# Altium PCB SMT2_1.PcbDoc (part 2 of 2)
Units mm, origin at the board's own origin, x right, y up, seen from the top; angles counter-clockwise.
Board outline 112.3 x 69.6 mm, 2 copper layers (Top Layer, Bottom Layer); 98 components, 70 nets, 401 pads, 85 vias.
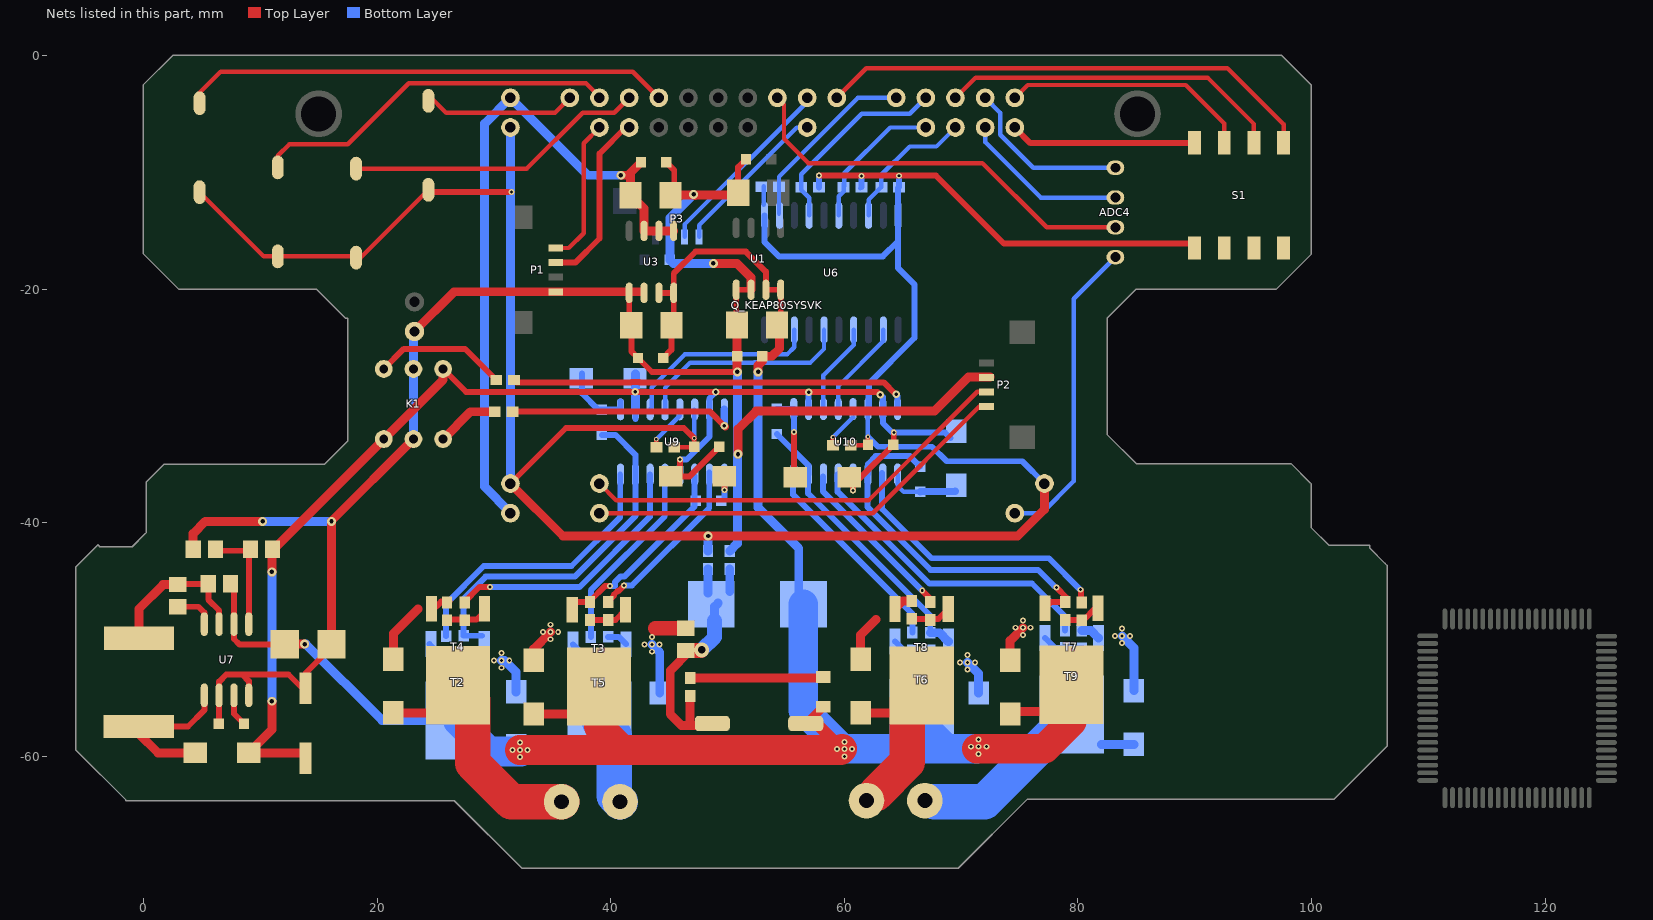
[diagram p2: the nets of this part, all layers, seen from the top]

## Via types
v1: diameter 0.508, hole 0.254, Top Layer to Bottom Layer, 60 vias
v2: diameter 0.762, hole 0.381, Top Layer to Bottom Layer, 14 vias
v3: diameter 0.635, hole 0.305, Top Layer to Bottom Layer, 6 vias
v4: diameter 0.381, hole 0.203, Top Layer to Bottom Layer, 4 vias
v5: diameter 1.27, hole 0.635, Top Layer to Bottom Layer, 1 vias

## Nets (pads, with @x,y where several pads share a name; then routed paths per layer and width w, separated by ;. In a path a pad name is that pad's centre, name@x,y a point inside that pad or via, vN(x,y) a via of type N, cw(c..) or ccw(c..) an arc to the next point about the centre after c; other vN are vias at no path point) (continued)
5V_MCU: C11.1 C12.1 Q_KEAP80SYSVK.37 Q_KEAP80SYSVK.76 U3.5 U3.6 U3.7 | length 59.4
  Top Layer w0.762: v2(40.869,-10.262) 41.478,-10.262 ; C12.1@42.596,-9.144 41.696,-10.044 C11.1@41.696,-11.961 42.858,-13.123 U3.7@42.858,-15.028 U3.6@44.128,-15.028 U3.5@45.398,-15.028
  Bottom Layer w0.762: Q_KEAP80SYSVK.76@31.42,-39.141 29.21,-36.932 29.21,-5.842 Q_KEAP80SYSVK.37@31.42,-3.632 38.049,-10.262 v2(40.869,-10.262)
12V: C17.1 C20.1 C28.1 D1.2 D2.1 D5.1 D8.1 D11.1 K1.3 K1.4 R10.2 U9.2 U9.7 U9.12 U10.2 U10.7 U10.12 | length 120.2
  Top Layer w0.508: K1.3@25.654,-26.845 27.613,-28.804 v3(42.113,-28.804) ; v3@42.126,-28.816 v3(49.009,-28.816) 62.852,-28.816 v3(63.094,-29.058) ; D5.1@45.136,-36.043 46.761,-36.043 C17.1@49.301,-33.503 C17.1@49.098,-33.503 ; D5.1@45.923,-35.992 v1(45.923,-34.595) ; D8.1@60.401,-36.246 61.29,-36.246 C20.1@64.186,-33.35 ; v1(60.757,-37.262) D8.1@60.757,-36.601 ; C20.1@64.237,-33.299 v1(64.237,-32.283)
  Top Layer w0.762: v2(10.998,-55.296) 10.998,-57.737 D1.2@9.02,-59.715 C28.1@13.716,-59.715 ; v2(10.998,-44.221) R10.2@10.998,-42.327 ; R10.2@11.059,-42.266 11.153,-42.266 K1.4@20.574,-32.845 25.654,-27.765 K1.3@25.654,-26.845
  Bottom Layer w0.508: U9.2@42.113,-31.14 U9.2@42.113,-30.302 ; U9.12@45.923,-35.89 v1(45.923,-34.595) 46.507,-34.595 48.463,-32.639 U9.7@48.463,-30.302 48.463,-29.362 v3(49.009,-28.816) ; U10.2@56.947,-30.277 v3(56.947,-28.829) ; v1(60.757,-37.262) U10.12@60.757,-35.865 ; v3@63.297,-29.261 U10.7@63.297,-30.277 63.297,-31.471 64.11,-32.283 v1(64.237,-32.283) 68.605,-32.283 D11.1@69.088,-32.766
  Bottom Layer w0.762: v2(10.998,-55.296) v2(10.998,-44.221) ; U9.2@42.113,-30.302 v3(42.113,-28.804) D2.1@42.113,-27.254
A_GND: C17.2 C20.2 K1.2@24.4,-11.51 K2.2 K3.2 K4.2 Q_KEAP80SYSVK.38 Q_KEAP80SYSVK.39 Q_KEAP80SYSVK.75 R3.2 R15.1 R25.1 R35.1 R36.1 R37.1 R38.1 S1.1 S1.2 S1.3 S1.4 U6.1 U6.10 U9.6 U10.6 | length 234.6
  Top Layer w0.381: K2.2@4.8,-11.71 10.3,-17.21 K4.2@11.5,-17.21 18.1,-17.21 K3.2@18.2,-17.31 18.6,-17.31 K1.2@24.4,-11.51 ; R15.1@45.441,-33.553 C17.2@47.092,-33.553 ; C17.2@47.142,-33.503 v4(47.142,-32.791) ; R25.1@60.554,-33.376 C20.2@62.001,-33.376 ; C20.2@62.027,-33.35 v4(62.027,-32.639) ; S1.1@89.576,-16.1 S1.1@89.9,-15.776
  Top Layer w0.508: K1.2@24.4,-11.51 24.59,-11.7 v1(31.5,-11.7) ; Q_KEAP80SYSVK.75@31.42,-36.652 36.17,-31.902 46.253,-31.902 v4(47.142,-32.791) ; v1(57.839,-10.3) 67.856,-10.3 73.656,-16.1 S1.1@89.576,-16.1
  Top Layer w0.762: Q_KEAP80SYSVK.75@31.42,-36.652 35.916,-41.148 v2(48.336,-41.148) 74.853,-41.148 77.14,-38.861 Q_KEAP80SYSVK.39@77.14,-36.652
  Bottom Layer w0.381: v4(47.142,-32.791) U9.6@47.142,-30.353 ; U6.1@53.115,-12.773 R38.1@53.115,-11.222 ; R36.1@61.37,-11.374 R36.1@61.472,-11.273 ; v4(62.027,-32.639) U10.6@62.027,-30.277 62.027,-28.973 62.1,-28.9
  Bottom Layer w0.508: U6.1@53.185,-13.7 53.185,-15.985 54.4,-17.2 63.3,-17.2 64.615,-15.885 ; R37.1@57.839,-11.298 v1(57.839,-10.3) ; R36.1@61.472,-11.273 v1(61.472,-10.328) ; v4(62.027,-32.639) 62.89,-33.503 67.513,-33.503 68.758,-34.747 75.235,-34.747 Q_KEAP80SYSVK.39@77.14,-36.652 ; U10.6@62.1,-30.204 62.1,-28.9 62.1,-28.1 66,-24.2 66,-19.6 64.615,-18.215 64.615,-15.885 ; R35.1@64.615,-11.355 U6.10@64.615,-13.7 64.615,-15.885 ; R35.1@64.697,-11.273 v1(64.697,-10.303)
  Bottom Layer w0.762: Q_KEAP80SYSVK.75@31.42,-36.652 Q_KEAP80SYSVK.38@31.42,-6.172 ; R3.2@48.336,-42.443 v2(48.336,-41.148)
ADC_CH1: ADC4.1 Q_KEAP80SYSVK.42 | length 26.8
  Bottom Layer w0.381: Q_KEAP80SYSVK.42@74.6,-39.192 76.908,-39.192 79.654,-36.446 79.654,-20.828 ADC4.1@83.21,-17.272
ADC_CH2: ADC4.2 Q_KEAP80SYSVK.19 | length 35.3
  Top Layer w0.381: Q_KEAP80SYSVK.19@54.28,-3.632 54.839,-4.191 54.839,-7.137 56.921,-9.22 71.82,-9.22 77.322,-14.722 ADC4.2@83.21,-14.722
ADC_CH3: ADC4.3 Q_KEAP80SYSVK.6 | length 14.4
  Bottom Layer w0.381: Q_KEAP80SYSVK.6@72.06,-6.172 72.06,-7.417 76.815,-12.172 ADC4.3@83.21,-12.172
ADC_CH4: ADC4.4 Q_KEAP80SYSVK.5 | length 14.7
  Bottom Layer w0.381: Q_KEAP80SYSVK.5@72.06,-3.632 73.355,-4.928 73.355,-6.789 76.188,-9.622 ADC4.4@83.21,-9.622
B1: Q_KEAP80SYSVK.4 S1.8 | length 16
  Top Layer w0.508: Q_KEAP80SYSVK.4@74.6,-6.172 75.936,-7.508 89.973,-7.508 S1.8@89.992,-7.489
B2: Q_KEAP80SYSVK.3 S1.7 | length 21.4
  Top Layer w0.381: Q_KEAP80SYSVK.3@74.6,-3.632 75.697,-2.535 89.235,-2.535 92.532,-5.832 S1.7@92.532,-7.489
B3: Q_KEAP80SYSVK.7 S1.6 | length 29.5
  Top Layer w0.381: Q_KEAP80SYSVK.7@69.52,-3.632 71.252,-1.9 91.1,-1.9 95.072,-5.872 S1.6@95.072,-7.489
B4: Q_KEAP80SYSVK.15 S1.5 | length 42.9
  Top Layer w0.381: Q_KEAP80SYSVK.15@59.36,-3.632 61.892,-1.1 92.8,-1.1 97.612,-5.912 S1.5@97.612,-7.489
FTM_IO1: P1.3 Q_KEAP80SYSVK.30 | length 15.3
  Top Layer w0.508: P1.3@35.294,-17.739 36.972,-17.739 39.04,-15.672 39.04,-8.407 41.275,-6.172 Q_KEAP80SYSVK.30@41.58,-6.172
FTM_IO2: P2.4 Q_KEAP80SYSVK.70 | length 37.6
  Top Layer w0.381: Q_KEAP80SYSVK.70@39.04,-38.71 Q_KEAP80SYSVK.70@39.04,-39.192 62.433,-39.192 71.582,-30.044 P2.4@72.4,-30.044
FTM_PIN1: P1.4 Q_KEAP80SYSVK.32 | length 12.5
  Top Layer w0.381: P1.4@35.294,-16.489 36.419,-16.489 37.694,-15.215 37.694,-7.518 Q_KEAP80SYSVK.32@39.04,-6.172
FTM_PIN2: P2.3 Q_KEAP80SYSVK.69 | length 37.9
  Top Layer w0.381: Q_KEAP80SYSVK.69@39.04,-36.652 40.488,-38.1 62.078,-38.1 71.384,-28.794 P2.3@72.5,-28.794
GND: C13.2 P4.1 R3.1 R4.1 R5.1 R6.1 | length 23.1
  Top Layer w0.762: R5.1@46.477,-50.9 v5(47.8,-50.9) ; R5.1@46.75,-51.027 45.1,-52.677 45.1,-56.4 46.053,-57.353 C13.2@48.121,-57.353 ; 46.8,-57.253 R6.1@46.8,-54.835
  Top Layer w1.27: R5.1@46.427,-50.95 v5@47.75,-50.95
  Bottom Layer w0.762: P4.1@48.336,-46.025 R3.1@48.336,-43.967 ; P4.1@48.9,-48.4 48.9,-47.188 P4.1@49.2,-46.888 ; P4.1@50.19,-45.898 R4.1@50.19,-43.967
  Bottom Layer w1.27: v5(47.8,-50.9) 48.9,-49.8 P4.1@48.9,-48.4
IIC_CLK: P3.2 Q_KEAP80SYSVK.17 | length 16.3
  Bottom Layer w0.381: P3.2@46.325,-15.537 46.325,-14.475 56.82,-3.98 Q_KEAP80SYSVK.17@56.82,-3.632
IIC_SDA: P3.1 Q_KEAP80SYSVK.18 | length 13.7
  Bottom Layer w0.381: P3.1@47.575,-15.537 47.575,-14.525 55.928,-6.172 Q_KEAP80SYSVK.18@56.82,-6.172
K1: K1.1@24.4,-3.89 Q_KEAP80SYSVK.33 | length 13.3
  Top Layer w0.381: K1.1@24.4,-3.39 25.91,-4.9 35.232,-4.9 Q_KEAP80SYSVK.33@36.5,-3.632
K2: K2.1 Q_KEAP80SYSVK.27 | length 41.9
  Top Layer w0.381: K2.1@4.8,-4.09 4.8,-3.2 6.6,-1.4 41.888,-1.4 Q_KEAP80SYSVK.27@44.12,-3.632
K3: K3.1 Q_KEAP80SYSVK.29 | length 25.9
  Top Layer w0.381: K3.1@18.2,-9.69 32.81,-9.69 37.6,-4.9 40.312,-4.9 Q_KEAP80SYSVK.29@41.58,-3.632
K4: K4.1 Q_KEAP80SYSVK.31 | length 31.7
  Top Layer w0.381: K4.1@11.5,-9.59 11.5,-8.6 12.5,-7.6 17.5,-7.6 22.712,-2.388 37.888,-2.388 39.04,-3.54 Q_KEAP80SYSVK.31@39.04,-3.632
L_AHO: R12.2 U9.10 | length 15.1
  Top Layer w0.508: R12.2@39.802,-46.812 39.802,-46.736 40.29,-46.248 40.29,-46.161 40.588,-45.864 40.674,-45.864 v1(41.148,-45.39)
  Bottom Layer w0.508: v1(41.148,-45.39) 41.808,-45.39 48.438,-38.76 U9.10@48.438,-35.687
L_AHS: C18.2 D3.1 D7.2 DJ1.2 R14.1 T3.3 T5.2 U9.11 | length 30.5
  Top Layer w0.508: T3.3@36.576,-46.812 R14.1@38.227,-46.812 38.227,-46.716 39.528,-45.415 v1(39.954,-45.415)
  Top Layer w0.762: D3.1@33.4,-51.787 33.4,-50.826 v1(34.849,-49.378)
  Bottom Layer w0.508: v1(39.954,-45.415) 40.386,-45.415 40.386,-45.074 40.832,-44.628 41.173,-44.628 47.168,-38.633 U9.11@47.168,-35.992
  Bottom Layer w0.762: T5.2@41.262,-59.187 D7.2@44.2,-59.187
  Bottom Layer w3.048: T5.2@39.039,-56.964 40.3,-58.225 40.3,-63.4 DJ1.2@40.8,-63.9
  other v1: 34.849,-49.987 34.214,-49.378 35.509,-49.378 34.849,-48.743
L_ALO: R18.2 U9.13 | length 16.7
  Bottom Layer w0.508: R18.2@38.306,-49.802 38.306,-45.794 44.628,-39.472 U9.13@44.628,-35.738
L_BHO: R11.2 U9.16 | length 24.4
  Bottom Layer w0.508: R11.2@25.909,-49.731 25.909,-46.94 29.136,-43.713 36.652,-43.713 40.818,-39.548 U9.16@40.818,-35.89
L_BHS: C16.1 D4.1 D6.2 DJ1.1 R13.1 T2.3 T4.2 U9.15 | length 53.9
  Top Layer w0.762: D6.2@21.4,-56.287 T4.2@24.552,-56.287
  Top Layer w3.048: T4.2@26.924,-53.915 28.2,-55.191 28.2,-60.6 31.5,-63.9 DJ1.1@35.8,-63.9
  Bottom Layer w0.508: R13.1@27.407,-49.685 R13.1@27.409,-49.685 ; T2.3@28.981,-49.685 R13.1@27.409,-49.685 ; C16.1@39.243,-32.487 40.411,-32.487 42.113,-34.188 U9.15@42.113,-35.89 42.113,-39.446 36.932,-44.628 29.299,-44.628 27.409,-46.517 R13.1@27.409,-49.685
  Bottom Layer w0.762: v1(30.658,-51.816) 30.916,-51.816 31.9,-52.8 D4.1@31.9,-54.487
  other v1: 30.658,-52.426 30.023,-51.816 31.318,-51.816 30.658,-51.181
L_BLO: R17.2 U9.14 | length 22.5
  Top Layer w0.508: R17.2@27.508,-46.838 27.508,-46.768 28.759,-45.517 v1(29.667,-45.517)
  Bottom Layer w0.508: v1(29.667,-45.517) 37.338,-45.517 43.358,-39.497 U9.14@43.358,-35.89
NetC14_2: C14.2 U7.3 | length 2.8
  Top Layer w0.508: U7.3@7.747,-54.788 7.747,-56.363 C14.2@8.611,-57.226
NetC16_2: C16.2 D2.2 U9.1 | length 5.9
  Bottom Layer w0.508: 37.539,-28.928 38.938,-30.328 C16.2@39.243,-30.328 U9.1@40.818,-30.328 ; 37.539,-28.623 D2.2@37.539,-27.229 ; U9.1@40.843,-30.302 U9.1@40.843,-29.642
NetC18_1: C18.1 D5.2 U9.9 | length 3.1
  Top Layer w0.508: v1@49.736,-37.208 D5.2@49.736,-36.043
  Bottom Layer w0.508: C18.1@49.733,-37.846 v1(49.733,-37.211) U9.9@49.733,-35.89
NetC19_2: C19.2 D8.2 U10.1 | length 7.3
  Top Layer w0.508: D8.2@55.677,-36.121 v1(55.677,-32.258)
  Bottom Layer w0.508: C19.2@54.229,-30.251 U10.1@55.651,-30.251 ; v1(55.677,-32.258) U10.1@55.677,-30.277
NetC21_1: C21.1 D11.2 U10.9 | length 6.1
  Bottom Layer w0.381: U10.9@64.567,-35.865 64.567,-36.855 65.075,-37.363 C21.1@66.497,-37.363
  Bottom Layer w0.635: C21.1@66.497,-37.363 D11.2@69.5,-37.3
NetD1_1: D1.1 L2.2 U7.1 | length 13.6
  Top Layer w0.508: L2.2@-0.406,-57.455 3.81,-57.455 5.207,-56.058 U7.1@5.207,-54.788
  Top Layer w0.762: L2.2@-0.406,-57.455 -0.406,-58.064 1.245,-59.715 D1.1@4.42,-59.715
NetK1_1: K1.1@20.574,-26.845 R26.1 | length 11.4
  Top Layer w0.508: K1.1@20.574,-26.845 22.298,-25.121 27.534,-25.121 R26.1@30.201,-27.788
NetK1_6: K1.6 R16.1 | length 5.4
  Top Layer w0.762: K1.6@25.654,-32.845 27.994,-30.505 R16.1@30.074,-30.505
NetL2_1: L2.1 R7.2 R8.2 U7.7 | length 13.3
  Top Layer w0.508: R8.2@2.804,-45.263 R7.2@5.527,-45.263 ; R7.2@5.552,-45.237 5.552,-46.599 6.477,-47.523 U7.7@6.477,-48.692
  Top Layer w0.762: L2.1@-0.381,-49.911 -0.381,-47.371 1.687,-45.303 R8.2@2.921,-45.303
NetLED1_2: LED1.2 R6.2 | length 11.3
  Top Layer w0.762: R6.2@46.8,-53.311 LED1.2@58.119,-53.311
NetR8_1: R8.1 U7.8 | length 3.5
  Top Layer w0.508: R8.1@2.921,-47.203 4.709,-47.203 5.207,-47.701 U7.8@5.207,-48.692
NetR9_2: R9.2 R10.1 U7.5 | length 9
  Top Layer w0.508: R9.2@6.274,-42.408 9.017,-42.408 U7.5@9.017,-48.692
NetR11_1: R11.1 R13.2 T2.1 | length 3.3
  Bottom Layer w0.508: T2.1@24.476,-50.398 25.287,-51.209 R13.2@27.409,-51.209
NetR12_1: R12.1 R14.2 T3.1 | length 3.4
  Top Layer w0.508: R14.2@38.227,-48.336 R12.1@39.802,-48.336 40.408,-48.336 T3.1@41.273,-47.472
NetR15_2: R15.2 U9.5 | length 3.5
  Top Layer w0.381: R15.2@43.917,-33.553 v4(43.917,-32.868)
  Bottom Layer w0.381: v4(43.917,-32.868) U9.5@45.923,-30.861
NetR16_2: R16.2 U9.8 | length 20.2
  Top Layer w0.508: R16.2@31.598,-30.505 48.514,-30.505 v3(49.733,-31.725)
  Top Layer w0.635: v3(49.733,-31.725) v3@49.809,-31.801
  Bottom Layer w0.635: v3(49.733,-31.725) U9.8@49.733,-30.302
NetR17_1: R17.1 R19.2 T4.1 | length 3.3
  Top Layer w0.508: R19.2@26.185,-48.294 28.525,-48.294 T4.1@29.207,-47.612
NetR18_1: R18.1 R20.2 T5.1 | length 3.4
  Bottom Layer w0.508: T5.1@36.759,-50.414 37.671,-51.326 R18.1@38.306,-51.326 39.753,-51.326 R20.2@39.779,-51.301
NetR21_1: R21.1 R23.2 T6.1 | length 3.3
  Bottom Layer w0.508: T6.1@64.354,-50.181 65.125,-50.952 R23.2@67.361,-50.952
NetR22_1: R22.1 R24.2 T7.1 | length 3.2
  Top Layer w0.508: R24.2@78.918,-48.336 80.487,-48.336 81.484,-47.34 T7.1@81.731,-47.34
NetR25_2: R25.2 U10.5 | length 3.1
  Top Layer w0.381: R25.2@59.03,-33.376 v4(59.03,-32.69)
  Bottom Layer w0.381: v4(59.03,-32.69) U10.5@60.757,-30.963
NetR26_2: R26.2 U10.8 | length 34.7
  Top Layer w0.508: R26.2@31.725,-27.788 31.937,-28 41.749,-28 41.771,-27.978 42.455,-27.978 42.477,-28 48.658,-28 48.667,-27.991 63.373,-27.991 64.389,-29.007 v3(64.465,-29.007)
  Bottom Layer w0.508: v3(64.465,-29.007) 64.389,-29.007 64.567,-29.185 U10.8@64.567,-30.277
NetR27_1: R27.1 R29.2 T8.1 | length 3.5
  Top Layer w0.508: R29.2@65.786,-48.235 68.06,-48.235 T8.1@68.904,-47.391
NetR28_1: R28.1 R30.2 T9.1 | length 3.5
  Bottom Layer w0.508: T9.1@77.197,-49.88 78.066,-50.749 R28.1@78.892,-50.749 80.315,-50.749 R30.2@80.34,-50.775
P_GND: D6.1 D7.1 D12.1 D13.1 R5.2 R19.1 R20.1 R29.1 R30.1 T4.3 T5.3 T8.3 T9.3 | length 28.3
  Top Layer w0.508: T4.3@24.647,-47.612 25.489,-46.77 R19.1@26.185,-46.77
  Top Layer w0.762: D6.1@21.4,-51.687 21.4,-49.5 23.5,-47.4 ; D12.1@61.4,-51.687 61.4,-49.6 62.7,-48.3 ; T8.3@64.344,-47.391 65.024,-46.711 R29.1@65.786,-46.711
  Top Layer w1.27: 43.85,-49.05 R5.2@46.427,-49.05
  Bottom Layer w0.508: R20.1@39.779,-49.777 40.682,-49.777 T5.3@41.319,-50.414
  Bottom Layer w0.762: v1(43.536,-50.444) 44.2,-51.109 D7.1@44.2,-54.587 ; R30.1@80.34,-49.251 81.127,-49.251 T9.3@81.757,-49.88 ; v1(83.795,-49.708) 84.8,-50.713 D13.1@84.8,-54.387
  other v1: 43.536,-51.054 42.901,-50.444 44.196,-50.444 83.795,-50.317 43.536,-49.809 83.16,-49.708 84.455,-49.708 83.795,-49.073
PWM1_USE: U6.18 U9.3 | length 17.1
  Bottom Layer w0.381: U9.3@43.383,-30.302 43.532,-30.153 43.532,-28.4 46.332,-25.6 55.1,-25.6 55.725,-24.975 U6.18@55.725,-23.5
PWM2_USE: U6.16 U9.4 | length 18.5
  Bottom Layer w0.381: U9.4@44.653,-30.302 44.653,-28.447 46.8,-26.3 50.483,-26.3 50.509,-26.274 51.193,-26.274 51.218,-26.3 52.261,-26.3 52.287,-26.274 52.971,-26.274 52.996,-26.3 57.1,-26.3 58.265,-25.135 U6.16@58.265,-23.5
PWM3_USE: U6.14 U10.3 | length 7.8
  Bottom Layer w0.381: U10.3@58.217,-30.277 58.217,-27.383 60.805,-24.795 U6.14@60.805,-23.5
PWM4_USE: U6.12 U10.4 | length 9.4
  Bottom Layer w0.381: U10.4@59.487,-30.277 59.487,-29.185 ; U10.4@59.5,-30.264 59.5,-28.3 63.345,-24.455 U6.12@63.345,-23.5
PWM_CH1: Q_KEAP80SYSVK.11 R38.2 U6.2 | length 16
  Bottom Layer w0.381: U6.2@54.41,-13.545 R38.2@54.41,-11.247 54.41,-10.39 61.168,-3.632 Q_KEAP80SYSVK.11@64.44,-3.632
PWM_CH2: Q_KEAP80SYSVK.9 R37.2 U6.4 | length 17.2
  Bottom Layer w0.381: U6.4@56.995,-13.7 56.995,-12.195 56.315,-11.515 R37.2@56.315,-11.298 56.315,-10.185 61.5,-5 65.612,-5 Q_KEAP80SYSVK.9@66.98,-3.632
PWM_CH3: Q_KEAP80SYSVK.10 R36.2 U6.6 | length 12.7
  Bottom Layer w0.381: U6.6@59.535,-13.7 59.535,-12.065 59.948,-11.652 R36.2@59.948,-11.273 ; R36.2@59.948,-10.993 R36.2@59.948,-11.273 ; Q_KEAP80SYSVK.10@66.98,-6.172 63.928,-6.172 60,-10.1 60,-11.22 R36.2@59.948,-11.273
PWM_CH4: Q_KEAP80SYSVK.8 R35.2 U6.8 | length 11.9
  Bottom Layer w0.381: U6.8@62.1,-13.675 62.1,-12.346 R35.2@63.173,-11.273 63.173,-10.227 65.6,-7.8 67.892,-7.8 Q_KEAP80SYSVK.8@69.52,-6.172
R_AHO: R22.2 U10.10 | length 23.9
  Top Layer w0.508: R22.2@80.264,-46.838 v1@80.264,-45.796
  Bottom Layer w0.508: U10.10@63.246,-35.763 63.246,-38.837 67.462,-43.053 77.521,-43.053 v1(80.213,-45.745)
R_AHS: C21.2 D9.1 D13.2 DJ2.2 R24.1 T7.3 T9.2 U10.11 | length 51.7
  Top Layer w0.508: T7.3@77.171,-47.34 77.699,-46.812 R24.1@78.918,-46.812 ; v1(78.158,-45.542) R24.1@79.07,-46.454
  Top Layer w0.762: D9.1@74.2,-51.587 74.2,-50.1 v1(75.3,-49)
  Bottom Layer w0.508: U10.11@61.976,-35.865 61.976,-38.644 67.375,-44.044 76.581,-44.044 77.955,-45.418 v1(78.158,-45.542) ; U10.11@62.027,-35.865 62.027,-34.976 62.687,-34.315 65.608,-34.315 C21.2@66.497,-35.204
  Bottom Layer w0.762: T9.2@82.034,-58.987 D13.2@84.8,-58.987
  Bottom Layer w3.048: DJ2.2@67.7,-63.9 72.006,-63.9 T9.2@79.477,-56.43
  other v1: 75.3,-49.61 74.665,-49 75.96,-49 75.3,-48.365
R_ALO: R28.2 U10.13 | length 26.6
  Bottom Layer w0.508: U10.13@59.436,-35.865 59.436,-37.363 67.285,-45.212 76.073,-45.212 78.882,-48.021 R28.2@78.882,-49.225
R_BHO: R21.2 U10.16 | length 18
  Bottom Layer w0.508: U10.16@55.626,-35.662 55.626,-37.617 65.824,-47.815 R21.2@65.824,-49.407
R_BHS: C19.1 D10.1 D12.2 DJ2.1 R23.1 T6.3 T8.2 U10.15 | length 41.2
  Top Layer w0.762: D12.2@61.4,-56.287 T8.2@64.278,-56.287
  Top Layer w3.048: DJ2.1@62.7,-63.2 65.4,-60.5 65.4,-55.165 T8.2@66.624,-53.941
  Bottom Layer w0.508: C19.1@54.229,-32.41 56.947,-35.128 U10.15@56.947,-35.865 ; U10.15@56.896,-35.763 56.896,-37.49 67.361,-47.955 R23.1@67.361,-49.428
  Bottom Layer w0.762: R23.1@67.361,-49.428 68.161,-49.428 T6.3@68.914,-50.181 ; v1(70.536,-51.968) 71.5,-52.933 D10.1@71.5,-54.587
  other v1: 70.536,-52.578 69.901,-51.968 71.196,-51.968 70.536,-51.333
R_BLO: R27.2 U10.14 | length 14.8
  Top Layer w0.508: v1(66.675,-45.822) 67.412,-46.558 R27.2@67.412,-47.066
  Bottom Layer w0.508: U10.14@58.166,-36.068 58.166,-37.313 v1(66.675,-45.822)
S_GND: C1.2 C2.2 C3.2 C6.2 C9.2 C10.2 C11.2 C12.2 C14.1 C15.2 C22.2 C28.2 K1.2@23.114,-26.845 K1.5 P1.1 P2.2 P3.3 R4.2 R9.1 TP.2 U1.1 U1.2 U3.1 U3.2 U7.2 U7.4 | length 179.9
  Top Layer w0.508: C14.1@6.477,-57.201 U7.2@6.477,-54.788 6.477,-53.619 7.087,-53.01 8.458,-53.01 ; U7.4@9.017,-54.788 9.017,-53.569 8.458,-53.01 ; C28.2@13.868,-54.455 12.423,-53.01 8.458,-53.01 ; C28.2@13.868,-54.175 13.868,-52.908 C15.2@16.097,-50.68 ; P1.1@35.319,-20.265 U3.1@41.575,-20.265 ; C9.2@41.588,-22.932 U3.1@41.588,-20.328 U3.2@42.858,-20.328 ; C9.2@41.77,-23.114 41.77,-25.337 C10.2@42.342,-25.908 ; C10.2@42.24,-25.984 42.342,-26.086 C10.2@42.342,-25.908 ; C12.2@44.755,-9.144 45.441,-9.83 C11.2@45.441,-11.645 ; C1.2@50.749,-23.025 U1.1@50.749,-20.066 U1.2@52.019,-20.066 ; v2@50.825,-26.848 50.573,-27.1 43.534,-27.1 C10.2@42.342,-25.908 ; C3.2@50.914,-11.76 50.914,-9.563 C6.2@51.587,-8.89
  Top Layer w0.762: R9.1@4.257,-42.291 4.257,-40.943 5.3,-39.9 v2(10.2,-39.9) ; C15.2@16.097,-50.419 16.097,-39.862 K1.5@23.114,-32.845 ; TP.2@23.2,-23.64 26.601,-20.239 P1.1@35.294,-20.239 U3.2@42.589,-20.239 ; C11.2@45.125,-11.961 v2@47.244,-11.961 ; v2@47.219,-11.986 v2@47.244,-11.961 ; v2(48.8,-17.8) 50.8,-17.8 52.019,-19.019 U1.2@52.019,-20.066 ; C3.2@50.714,-11.961 v2@47.244,-11.961 ; v2@50.825,-26.848 C2.2@50.825,-25.756 C1.2@50.825,-23.647 ; v2(50.902,-34.138) 50.902,-31.998 52.445,-30.455 67.716,-30.455 70.627,-27.544 P2.2@72.5,-27.544
  Bottom Layer w0.762: v2(10.2,-39.9) v2(16.1,-39.9) ; K1.5@23.114,-32.845 K1.2@23.114,-26.845 TP.2@23.114,-23.9 ; C22.2@45.059,-17.5 45.359,-17.8 v2(48.8,-17.8) ; C22.2@45.075,-17.484 P3.3@45.075,-15.537 45.075,-13.925 v2(47.1,-11.9) ; R4.2@50.19,-42.443 50.851,-41.783 v2(50.851,-27.1)
VCC7.2V: C1.1 C2.1 C9.1 C10.1 C13.1 C15.1 D3.2 D4.2 D9.2 D10.2 LED1.1 P5.1 R7.1 T2.2 T3.2 T6.2 T7.2 U1.3 U1.4 U3.3 U3.4 U7.6 | length 183.6
  Top Layer w0.508: R7.1@7.452,-45.237 7.747,-45.532 U7.6@7.747,-48.692 7.747,-49.962 8.204,-50.419 C15.1@12.097,-50.419 13.581,-50.419 v2@13.6,-50.4 ; U3.3@44.128,-20.328 U3.4@45.398,-20.328 ; C10.1@44.501,-25.908 45.199,-25.21 C9.1@45.199,-23.114 ; C9.1@45.398,-22.915 U3.4@45.398,-20.328 ; C1.1@54.242,-23.089 C1.1@54.458,-23.305 ; C1.1@54.559,-22.771 U1.4@54.559,-20.066 U1.3@53.289,-20.066 53.289,-18.517 51.573,-16.8 47.259,-16.8 45.398,-18.661 U3.4@45.398,-20.328
  Top Layer w0.762: C15.1@12.919,-50.4 13.6,-50.4 v2(13.8,-50.4) ; D3.2@33.4,-56.387 T3.2@38.437,-56.387 ; v2(52.629,-27.1) 52.629,-26.543 52.984,-26.187 C2.1@52.984,-25.756 53.797,-25.756 54.458,-25.095 C1.1@54.458,-23.305 ; C13.1@56.67,-57.3 LED1.1@58.2,-55.77 ; D9.2@74.2,-56.187 T7.2@79.264,-56.187
  Top Layer w1.016: C13.1@56.4,-57.3 56.67,-57.3 57.74,-57.3 v1@59.8,-59.36
  Top Layer w1.778: T7.2@79.451,-57.048 T7.2@79.451,-53.89
  Top Layer w2.54: v1(32.226,-59.474) 41.014,-59.474 ; T3.2@38.993,-54.022 38.993,-57.453 41.014,-59.474 ; v1@59.8,-59.36 59.686,-59.474 41.014,-59.474 ; v1@71.327,-59.36 77.14,-59.36 T7.2@79.451,-57.048
  Bottom Layer w0.762: v2@13.9,-50.4 20.438,-56.938 T2.2@26.899,-56.938 ; v2(52.629,-27.1) 52.629,-38.729 56.1,-42.2 P5.1@56.1,-46.838
  Bottom Layer w1.016: P5.1@56.1,-46.838 P5.1@56.5,-46.838
  Bottom Layer w1.778: P5.1@56.5,-47 P5.1@56.5,-46.838 ; v1(60,-59.4) v1(60.66,-59.4) T6.2@65.9,-59.4 ; T6.2@66.634,-56.731 69.09,-59.187 v1(70.865,-59.187)
  Bottom Layer w2.54: T2.2@26.899,-56.938 29.561,-59.6 D4.2@32.3,-59.6 ; P5.1@56.5,-47 56.5,-56.06 59.8,-59.36 D10.2@71.327,-59.36
  other v1: 32.226,-60.084 60,-60.01 71.5,-59.797 31.591,-59.474 32.886,-59.474 59.365,-59.4 71.5,-59.187 72.16,-59.187 32.226,-58.839 60,-58.765 71.5,-58.552
pads on no net: JMU?.0 P1.0 P2.0 P3.0 Q_KEAP80SYSVK.21 Q_KEAP80SYSVK.22 Q_KEAP80SYSVK.23 Q_KEAP80SYSVK.24 Q_KEAP80SYSVK.25 Q_KEAP80SYSVK.26 Q_KEAP80SYSVK.28 U1.8 U3.8 U6.3 U6.5 U6.7 U6.9 U6.11 U6.13 U6.15 U6.17 U6.19 U?.1 U?.2 U?.3 U?.4 U?.5 U?.6 U?.7 U?.8 U?.9 U?.10 U?.11 U?.12 U?.13 U?.14 U?.15 U?.16 U?.17 U?.18 U?.19 U?.20 U?.21 U?.22 U?.23 U?.24 U?.25 U?.26 U?.27 U?.28 U?.29 U?.30 U?.31 U?.32 U?.33 U?.34 U?.35 U?.36 U?.37 U?.38 U?.39 U?.40 U?.41 U?.42 U?.43 U?.44 U?.45 U?.46 U?.47 U?.48 U?.49 U?.50 U?.51 U?.52 U?.53 U?.54 U?.55 U?.56 U?.57 U?.58 U?.59 U?.60 U?.61 U?.62 U?.63 U?.64 U?.65 U?.66 U?.67 U?.68 U?.69 U?.70 U?.71 U?.72 U?.73 U?.74 U?.75 U?.76 U?.77 U?.78 U?.79 U?.80

## Polygon pours and split planes (outlines as drawn)
S_GND on Top Layer "Bottom Layer-No Net" (hatched 90Degree grid 0.508 track 0.203, remove dead copper, pour order 5): 2.9,0 97.25,0 99.8,-2.55 100,-2.55 100,-17 99.9,-17.1 97,-20 85,-20 82.5,-22.5 82.5,-32.75 84.7,-34.95 85,-34.95 98.25,-34.95 100,-36.7 100,-40.45 101.486,-41.936 104.636,-41.936 104.7,-42 106.35,-43.65 106.4,-43.65 106.4,-58.9 106.5,-59 101.9,-63.6 101.9,-63.7 75.6,-63.7 69.75,-69.55 69.75,-69.596 32.804,-69.596 32.6,-69.8 26.6,-63.8 -1.45,-63.8 -1.475,-63.775 -5.75,-59.5 -5.75,-43.5 -4.25,-42 -1.362,-42 -1.3,-42.062 0.021,-40.742 0.254,-40.742 0.254,-36.946 0.4,-36.8 0.254,-36.654 0.254,-36.5 1.754,-35 15.3,-35 15.5,-35 17.5,-33 17.5,-22.5 15,-20 3,-20 0.1,-17.1 0.2,-17 0.2,-2.7 2.9,0
S_GND on Bottom Layer "Bottom Layer-No Net" (hatched 90Degree grid 0.508 track 0.203, remove dead copper, pour order 7): 2.6,0 97.25,0 97.45,0 100,-2.55 100,-17 97.2,-19.8 97,-20 85.1,-20 85.1,-20.2 82.5,-22.8 82.5,-32.45 82.5,-32.6 84.8,-34.9 85,-35.1 98.3,-35.1 98.4,-35.1 100,-36.7 100,-40.45 100.15,-40.45 101.4,-41.7 101.7,-42 104.7,-42 104.75,-42 106.5,-43.75 106.5,-59 106.5,-59.2 102.2,-63.5 102,-63.7 75.6,-63.7 69.75,-69.55 69.704,-69.596 32.6,-69.596 32.396,-69.596 26.6,-63.8 -1.5,-63.8 -1.5,-63.75 -5.55,-59.7 -5.75,-59.5 -5.75,-43.5 -4.25,-42 -4.188,-42.062 -1.067,-42.062 0.254,-40.742 0.254,-36.5 1.754,-35 1.854,-34.9 15.6,-34.9 17.5,-33 17.5,-22.5 15,-20 14.8,-19.8 3.1,-19.8 2.8,-19.8 0,-17 0,-2.5 2.5,0

## Keep-outs
Keep-Out Layer:
  lines w1: -5.856,-43.321 -5.843,-43.307 ; -2.986,-42 -4.25,-42 -5.75,-43.5 -5.75,-59.5 -1.475,-63.775 ; -2.938,-42.062 -1.067,-42.062 0.254,-40.742 0.254,-36.5 1.754,-35 15.5,-35 17.5,-33 17.5,-22.5 15,-20 3,-20 0,-17 0,-2.5 2.5,0 97.25,0 ; -1.5,-63.8 26.6,-63.8 32.3,-69.5 ; 32.4,-69.596 69.75,-69.596 ; 69.75,-69.55 75.6,-63.7 101.9,-63.7 106.5,-59.1 106.5,-59 106.5,-43.75 104.986,-42.236 ; 82.5,-32.75 82.5,-22.5 85,-20 97,-20 100,-17 100,-2.75 ; 82.5,-32.45 85,-34.95 98.25,-34.95 100,-36.7 100,-40.45 101.486,-41.936 104.986,-41.936 ; 97.25,0.2 100,-2.55

## Other copper
Top Layer:
  rectangle net A_GND: 89.408,-17.602 98.171,-15.392
  rectangle net P_GND: 82.829,-50.825 84.988,-42.215
  rectangle net R_AHS: 74.371,-50.1 76.378,-47.904
  rectangle net P_GND: 22.454,-48.514 25.121,-42.1
  rectangle net P_GND: 22.454,-44.856 84.861,-42.088
  rectangle net P_GND: 61.722,-49.098 64.922,-42.113
  rectangle net R_AHS: 74.295,-48.59 77.673,-46.228
  rectangle net L_AHS: 33.909,-50.368 35.916,-46.38
  rectangle net L_AHS: 33.909,-48.539 37.16,-46.38
  rectangle net L_BHS: 28.702,-53.111 31.725,-50.546
  rectangle net R_BHS: 68.377,-53.061 71.78,-50.597
  rectangle net P_GND: 42.24,-51.638 44.755,-43.282
Bottom Layer:
  rectangle net P_GND: 81.28,-50.927 84.963,-48.641
  rectangle net R_AHS: 74.346,-59.766 79.121,-53.162
  rectangle net R_AHS: 74.295,-59.741 76.276,-46.203
  rectangle net L_AHS: 35.255,-60.427 37.236,-53.645
  rectangle net L_AHS: 33.884,-60.401 35.865,-48.489
  rectangle net L_BHS: 28.727,-53.111 31.75,-49.301
  rectangle net R_BHS: 68.428,-52.984 71.78,-49.073
  rectangle net P_GND: 40.843,-51.765 44.729,-49.276
  rectangle net VCC7.2V: 24.1,-60.8 30.3,-58.3

## Silkscreen, mask and mechanical layers (free items; w line width, h text height)
Top Overlay:
  text "2018 - 2 - 15" at 88.6,-50 h1.52

## Text inside footprints (layer, text, board x,y; h text height)
DJ1: Top Overlay "V" at 35.3,-66.9 h1.27; Top Overlay "V" at 40.3,-66.9 h1.27
DJ2: Top Overlay "V" at 61.4,-66.8 h1.27; Top Overlay "V" at 66.4,-66.8 h1.27
Q_KEAP80SYSVK: Top Overlay "-" at 30.372,-36.013 h1.5 r180; Top Overlay "+" at 30.382,-3.073 h1.5 r180; Top Overlay "-" at 30.372,-5.573 h1.5 r180; Top Overlay "+" at 30.362,-38.553 h1.5 r180; Top Overlay "5V" at 32.132,-1.413 h1 r180; Top Overlay "A5" at 34.802,-1.413 h1 r180; Top Overlay "C5" at 37.302,-1.413 h1 r180; Top Overlay "E1" at 39.642,-1.423 h1 r180; Top Overlay "G1" at 42.222,-1.413 h1 r180; Top Overlay "G3" at 44.992,-1.413 h1 r180; Top Overlay "E3" at 47.242,-1.423 h1 r180; Top Overlay "I3" at 49.772,-1.413 h1 r180; Top Overlay "C7" at 52.652,-1.413 h1 r180; Top Overlay "A1" at 55.042,-1.413 h1 r180; Top Overlay "A3" at 57.522,-1.413 h1 r180; Top Overlay "D3" at 60.062,-1.413 h1 r180; Top Overlay "F0" at 62.552,-1.413 h1 r180; Top Overlay "G4" at 65.192,-1.413 h1 r180; Top Overlay "G6" at 67.612,-1.413 h1 r180; Top Overlay "E4" at 70.172,-1.413 h1 r180; Top Overlay "A7" at 72.892,-1.413 h1 r180; Top Overlay "F3" at 75.332,-1.413 h1 r180; Top Overlay "GND" at 32.592,-7.333 h1 r180; Top Overlay "E0" at 39.932,-7.333 h1 r180; Top Overlay "G0" at 42.482,-7.333 h1 r180; Top Overlay "A2" at 57.522,-7.333 h1 r180; Top Overlay "D2" at 60.062,-7.333 h1 r180; Top Overlay "D4" at 62.672,-7.333 h1 r180; Top Overlay "F1" at 64.922,-7.333 h1 r180; Top Overlay "G5" at 67.612,-7.333 h1 r180; Top Overlay "G7" at 70.172,-7.333 h1 r180; Top Overlay "A6" at 72.892,-7.333 h1 r180; Top Overlay "F2" at 75.332,-7.333 h1 r180; Top Overlay "B0" at 77.882,-7.333 h1 r180; Top Overlay "GND" at 32.612,-34.373 h1 r180; Top Overlay "GND" at 78.452,-34.403 h1 r180; Top Overlay "5V" at 32.072,-40.263 h1 r180; Top Overlay "F4" at 75.272,-40.263 h1 r180; Top Overlay "B2" at 77.912,-40.263 h1 r180; Top Overlay "B1" at 77.742,-1.453 h1 r180